# KiCad board pcb.kicad_pcb (continued)
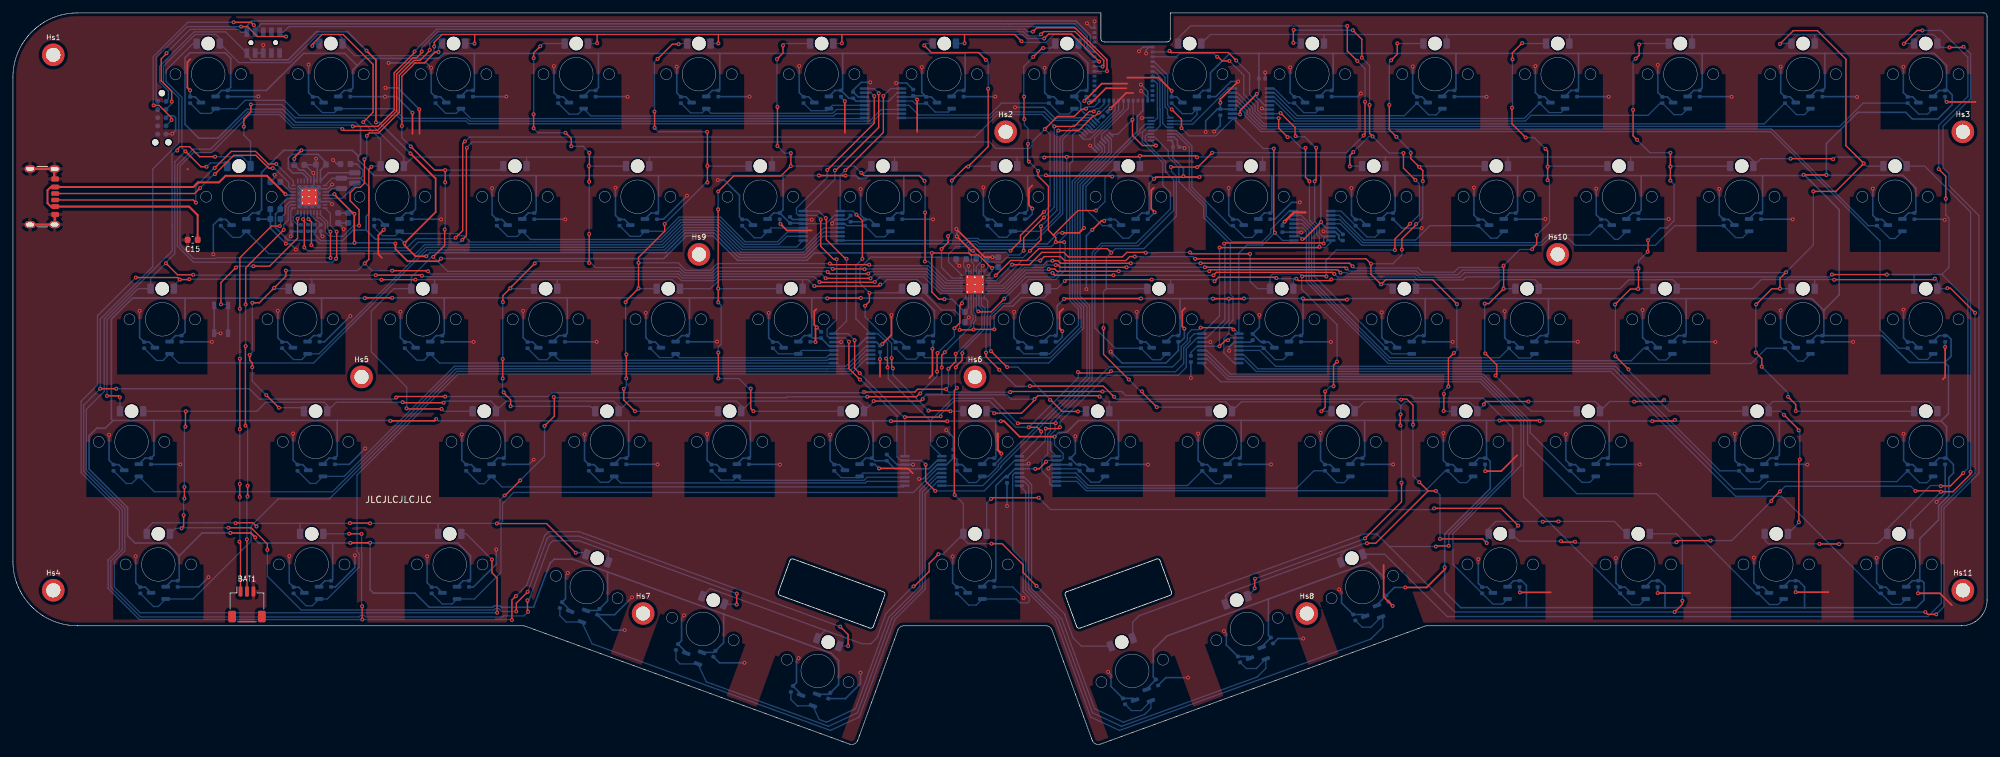
[diagram p0: board, top side]
## Placement (name value [footprint] x y rotation side) (continued)
TMR58  TMR2617  [SOT-23-3]  296.25 42.45 180 bottom
TMR59  TMR2617  [SOT-23-3]  22.52 23.45 180 bottom
TMR60  TMR2617  [SOT-23-3]  46.27 23.45 180 bottom
TMR61  TMR2617  [SOT-23-3]  67.65 23.45 180 bottom
TMR62  TMR2617  [SOT-23-3]  87.37 20.21 160 bottom
TMR63  TMR2617  [SOT-23-3]  105.35 13.71 160 bottom
TMR64  TMR2617  [SOT-23-3]  123.15 7.21 160 bottom
TMR65  TMR2617  [SOT-23-3]  149 23.45 180 bottom
TMR66  TMR2617  [SOT-23-3]  174.85 7.21 200 bottom
TMR67  TMR2617  [SOT-23-3]  192.65 13.71 200 bottom
TMR68  TMR2617  [SOT-23-3]  210.5 20.21 200 bottom
TMR69  TMR2617  [SOT-23-3]  230.35 23.45 180 bottom
TMR70  TMR2617  [SOT-23-3]  251.72 23.45 180 bottom
TMR71  TMR2617  [SOT-23-3]  273.1 23.45 180 bottom
TMR72  TMR2617  [SOT-23-3]  292.1 23.45 180 bottom
USB1  USB_C_Receptacle_PowerOnly_6P  [USB_C_Receptacle_GCT_USB4125-xx-x-0190_6P_TopMnt_Horizontal]  3.45 84.85 270 top

## Library data of the parts
BAT1 = -: Description: PS5 battery pack (red->power, black->ground, white->ntc); ki_fp_filters: TSSOP*4.4x9.7mm*P0.65mm*
C1-C5 C10-C13 C16-C20 C24-C27 = -: Description: Capacitor, X5R, ±10%, at least 2xVdd (>=5V); ki_fp_filters: C_*
C6-C8 C21 C22 = -: Description: Capacitor, X5R, 25 V, ±20%; ki_fp_filters: C_*
C9 C29 = -: Description: Capacitor, X5R, ±10%; ki_fp_filters: C_*
C14 C15 C30-C32 = -: Description: Capacitor, X5R, 10 V, ±10%; ki_fp_filters: C_*
C23 C28 = -: Description: Capacitor, X7R, 16 V, ±10%; ki_fp_filters: C_*
Cvcc1-Cvcc72 Cvout1-Cvout72 = -: Description: Unpolarized capacitor, small symbol; ki_fp_filters: C_*
D1-D72 = -: Datasheet: https://www.we-online.com/components/products/datasheet/156120VS75300.pdf; Description: Light emitting diode, small symbol, filled shape; Sim.Pins: 1=K 2=A; ki_fp_filters: LED* LED_SMD:* LED_THT:*
Hs1-Hs11 = -: Description: Mounting Hole without connection; ki_fp_filters: MountingHole*
JTAG1 JTAG2 = -: Description: Generic connector, double row, 02x05, odd/even pin numbering scheme (row 1 odd numbers, row 2 even numbers), script generated (kicad-library-utils/schlib/autogen/connector/); ki_fp_filters: Connector*:*_2x??_*
L1 = -: Description: Inductor, DCR < 400 mΩ, ±20%; Ex: Murata DFE201210U-2R2M Samsung CIGT201610EH2R2MNE  Samsung CIGT252008LM2R2MNE  Taiyo Yuden MDKK1616T2R2MM; ki_fp_filters: Choke_* *Coil* Inductor_* L_*
L2 = -: Description: Inductor, DCR < 400 mΩ, ±20%; ki_fp_filters: Choke_* *Coil* Inductor_* L_*
LEDDR1 = -: Datasheet: http://www.ti.com/lit/ds/symlink/lp5864.pdf; Description: 72-Channel 12-Bit PWM Ultra-low Quiescent Current I2C RGB LED Driver; ki_fp_filters: VQFN?46?1EP?5x6mm?P0.4mm?EP2.8x3.8mm*
M1 = -: Datasheet: https://www.ezurio.com/documentation/datasheet-bl54l10-and-bl54l15-series; Description: nRF54L15 module
MUXA1 MUXA2 = -: Datasheet: https://www.ti.com/lit/ds/symlink/tmux1574.pdf; Description: Low Capacitance, 4-Channel, 2 to 1 Switch, Powered-off Protection with 1.8V logic, TSOT-23-16; ki_fp_filters: *TSOT*23?16*
MUXB1-MUXB8 = -: Datasheet: https://www.ti.com/lit/ds/symlink/tmux1108.pdf; Description: 5V / ±2.5V, Low-Leakage-Current, 8:1 Precision Multiplexer, 2.5 Ohm Ron, 90Mhz, TSSOP-16; ki_fp_filters: TSSOP*4.4x5mm*P0.65mm*
PMIC1 = -: Datasheet: https://docs.nordicsemi.com/bundle/ps_npm1300; Description: PMIC, LED Driver, Battery Charger, QFN-32; ki_fp_filters: QFN*32*1EP*5x5mm*P0.5mm*EP3.6x3.6mm*
R1 R2 = -: Description: Resistor, small symbol; ki_fp_filters: R_*
R3 R4 = -: Description: Resistor, 0.05 W, ±1%, to select 1.8v at buck converter #1 on reset; ki_fp_filters: R_*
S1-S72 = -: Description: Gateron Low profile magentic switch
SW1 = -: Description: 1x DIP Switch, Single Pole Single Throw (SPST) switch, small symbol; ki_fp_filters: SW?DIP?x1*
TMR1-TMR72 = -: Description: TMR sensor by MDT, z-axis sensitivity, SOT23-3; ki_fp_filters: SOT?23*
USB1 = -: Datasheet: https://www.usb.org/sites/default/files/documents/usb_type-c.zip; Description: USB Power-Only 6P Type-C Receptacle connector; ki_fp_filters: USB*C*Receptacle*

## Footprints (pads in the part's own frame, mm; a bottom-side part is the same pattern mirrored in y, then rotated)
Button_Switch_3x4x2.5
  rect 1.2x0.65 smd: 1(-2.15,1.075) 1(2.15,1.075) 2(-2.15,-1.075) 2(2.15,-1.075)
C_0402_1005Metric
  rrect 0.56x0.62 smd: 1(-0.48,0) 2(0.48,0)
C_0603_1608Metric
  rrect 0.9x0.95 smd: 1(-0.775,0) 2(0.775,0)
Ezurio_BL54L15_Module
  rect 0.45x0.6 smd: 1(11.8,0.503) 2(11.05,0.503) 3(10.3,0.503) 4(9.55,0.503) 5(8.8,0.503) 6(8.05,0.503) 7(7.3,0.503) 8(6.55,0.503) 9(5.8,0.503) 10(5.05,0.503) 11(4.3,0.503) 12(3.55,0.503) 13(2.8,0.503) 14(2.05,0.503) 15(1.3,0.503) 16(0.55,0.503) 28(0.55,9.497) 29(1.3,9.497) 30(2.05,9.497) 31(2.8,9.497) 32(3.55,9.497) 33(4.3,9.497) 34(5.05,9.497) 35(5.8,9.497) 36(6.55,9.497) 37(7.3,9.497) 38(8.05,9.497) 39(8.8,9.497)
  rect 0.6x0.45 smd: 17(0.503,1.25) 18(0.503,2) 19(0.503,2.75) 20(0.503,3.5) 21(0.503,4.25) 22(0.503,5) 23(0.503,5.75) 24(0.503,6.5) 25(0.503,7.25) 26(0.503,8) 27(0.503,8.75)
JST_SH_SM03B-SRSS-TB_1x03-1MP_P1.00mm_Horizontal
  rrect 0.6x1.55 smd: 1(-1,2) 2(0,2) 3(1,2)
  rrect 1.2x1.8 smd: MP(-2.3,-1.875) MP(2.3,-1.875)
L_Samsung_CIGT201610EH2R2MNE
  rrect 0.8x1.8 smd: 1(-0.8,0) 2(0.8,0)
LED_1206_3216Metric_ReverseMount_Hole2.1mm
  round 2.1 hole 2.1 unplated: (0,0)
  rrect 1x1.6 smd: 1(-1.8,0) 2(1.8,0)
MountingHole_2.2mm_M2_ISO7380_Pad_TopBottom
  round 2.6 hole 2.2: 1(0,0)
  round 3.5 smd: 1(0,0)
  round 3.5 smd far side: 1(0,0)
QFN-32-1EP_5x5mm_P0.5mm_EP3.6x3.6mm_ThermalVias
  rrect 0.97x0.97 smd: (-1.2,-1.2) (-1.2,0) (-1.2,1.2) (0,-1.2) (0,0) (0,1.2) (1.2,-1.2) (1.2,0) (1.2,1.2)
  rrect 0.8x0.25 smd: 1(-2.45,1.75) 2(-2.45,1.25) 3(-2.45,0.75) 4(-2.45,0.25) 5(-2.45,-0.25) 6(-2.45,-0.75) 7(-2.45,-1.25) 8(-2.45,-1.75) 17(2.45,-1.75) 18(2.45,-1.25) 19(2.45,-0.75) 20(2.45,-0.25) 21(2.45,0.25) 22(2.45,0.75) 23(2.45,1.25) 24(2.45,1.75)
  rrect 0.25x0.8 smd: 9(-1.75,-2.45) 10(-1.25,-2.45) 11(-0.75,-2.45) 12(-0.25,-2.45) 13(0.25,-2.45) 14(0.75,-2.45) 15(1.25,-2.45) 16(1.75,-2.45) 25(1.75,2.45) 26(1.25,2.45) 27(0.75,2.45) 28(0.25,2.45) 29(-0.25,2.45) 30(-0.75,2.45) 31(-1.25,2.45) 32(-1.75,2.45)
  round 0.5 hole 0.2: 33(-1,-1) 33(-1,0) 33(-1,1) 33(0,-1) 33(0,0) 33(0,1) 33(1,-1) 33(1,0) 33(1,1)
  rect 2.5x2.5 smd far side: 33(0,0)
  rect 3.6x3.6 smd: 33(0,0)
R_0402_1005Metric
  rrect 0.54x0.64 smd: 1(-0.51,0) 2(0.51,0)
SAMTEC-CLP-105-02-X-D-A
  round 0.74 hole 0.74 unplated: (-1.905,0) (1.905,0)
  rect 0.74x1.47 smd: 1(-2.54,1.613) 2(-2.54,-1.613) 3(-1.27,1.613) 4(-1.27,-1.613) 5(0,1.613) 6(0,-1.613) 7(1.27,1.613) 8(1.27,-1.613) 9(2.54,1.613) 10(2.54,-1.613)
SOT-23-3
  rrect 1.325x0.6 smd: 1(-1.137,0.95) 2(-1.137,-0.95) 3(1.137,0)
Tag-Connect_TC2050-IDC-NL_2x05_P1.27mm_Vertical
  round 0.991 hole 0.991 unplated: (-3.81,0) (3.81,-1.016) (3.81,1.016)
  round 0.787 smd: 1(-2.54,-0.635) 2(-1.27,-0.635) 3(0,-0.635) 4(1.27,-0.635) 5(2.54,-0.635) 6(2.54,0.635) 7(1.27,0.635) 8(0,0.635) 9(-1.27,0.635) 10(-2.54,0.635)
Texas_DYY0016A_TSOT-23-16_2x4.2mm_P0.5mm
  rrect 1.05x0.3 smd: 1(-1.5,1.75) 2(-1.5,1.25) 3(-1.5,0.75) 4(-1.5,0.25) 5(-1.5,-0.25) 6(-1.5,-0.75) 7(-1.5,-1.25) 8(-1.5,-1.75) 9(1.5,-1.75) 10(1.5,-1.25) 11(1.5,-0.75) 12(1.5,-0.25) 13(1.5,0.25) 14(1.5,0.75) 15(1.5,1.25) 16(1.5,1.75)
TSSOP-16_4.4x5mm_P0.65mm
  rrect 1.475x0.4 smd: 1(-2.862,2.275) 2(-2.862,1.625) 3(-2.862,0.975) 4(-2.862,0.325) 5(-2.862,-0.325) 6(-2.862,-0.975) 7(-2.862,-1.625) 8(-2.862,-2.275) 9(2.862,-2.275) 10(2.862,-1.625) 11(2.862,-0.975) 12(2.862,-0.325) 13(2.862,0.325) 14(2.862,0.975) 15(2.862,1.625) 16(2.862,2.275)
USB_C_Receptacle_GCT_USB4125-xx-x-0190_6P_TopMnt_Horizontal
  rrect 0.7x1.2 smd: A5(-0.5,3.08) B5(0.5,3.08)
  rrect 0.76x1.2 smd: A9(1.52,3.08) B9(-1.52,3.08)
  rrect 0.8x1.2 smd: A12(2.75,3.08) B12(-2.75,3.08)
  oval 1.1x1.7 hole 0.6x1.2: S1(-4.32,3) S1(-4.32,-0.8) S1(4.32,3) S1(4.32,-0.8)
VQFN-32-1EP_4x4mm_P0.4mm_EP2.8x2.8mm_ThermalVias
  rrect 1.17x1.17 smd: (-0.7,-0.7) (-0.7,0.7) (0.7,-0.7) (0.7,0.7)
  rrect 0.775x0.2 smd: 1(-1.988,1.4) 2(-1.988,1) 3(-1.988,0.6) 4(-1.988,0.2) 5(-1.988,-0.2) 6(-1.988,-0.6) 7(-1.988,-1) 8(-1.988,-1.4) 17(1.988,-1.4) 18(1.988,-1) 19(1.988,-0.6) 20(1.988,-0.2) 21(1.988,0.2) 22(1.988,0.6) 23(1.988,1) 24(1.988,1.4)
  rrect 0.2x0.775 smd: 9(-1.4,-1.988) 10(-1,-1.988) 11(-0.6,-1.988) 12(-0.2,-1.988) 13(0.2,-1.988) 14(0.6,-1.988) 15(1,-1.988) 16(1.4,-1.988) 25(1.4,1.988) 26(1,1.988) 27(0.6,1.988) 28(0.2,1.988) 29(-0.2,1.988) 30(-0.6,1.988) 31(-1,1.988) 32(-1.4,1.988)
  round 0.5 hole 0.2: 33(-1.15,-1.15) 33(-1.15,0) 33(-1.15,1.15) 33(0,-1.15) 33(0,0) 33(0,1.15) 33(1.15,-1.15) 33(1.15,0) 33(1.15,1.15)
  rect 2.8x2.8 smd far side: 33(0,0)
  rect 2.8x2.8 smd: 33(0,0)

## Nets
/VDDIO: C9.2 C21.1 JTAG1.1 JTAG2.1 L1.1 M1.26 PMIC1.1 PMIC1.12 R1.1 R2.1
GND: BAT1.3 C1.1 C2.1 C3.1 C4.1 C5.1 C6.2 C7.2 C8.2 C9.1 C10.1 C10.2 C11.1 C11.2 C12.1 C12.2 C13.1 C13.2 C14.2 C15.2 C16.1 C17.1 C18.1 C19.1 C20.1 C21.2 C22.2 C23.2 C24.1 C24.2 C25.1 C25.2 C26.1 C26.2 C27.1 C27.2 C28.2 C29.2 C30.1 C31.2 C32.2 Cvcc1.2 Cvcc2.2 Cvcc3.2 Cvcc4.2 Cvcc5.2 Cvcc6.2 Cvcc7.2 Cvcc8.2 Cvcc9.2 Cvcc10.2 Cvcc11.2 Cvcc12.2 Cvcc13.2 Cvcc14.2 Cvcc15.2 Cvcc16.2 Cvcc17.2 Cvcc18.2 Cvcc19.2 Cvcc20.2 Cvcc21.2 Cvcc22.2 Cvcc23.2 Cvcc24.2 Cvcc25.2 Cvcc26.2 Cvcc27.2 Cvcc28.2 Cvcc29.2 Cvcc30.2 Cvcc31.2 Cvcc32.2 Cvcc33.2 Cvcc34.2 Cvcc35.2 Cvcc36.2 Cvcc37.2 Cvcc38.2 Cvcc39.2 Cvcc40.2 Cvcc41.2 Cvcc42.2 Cvcc43.2 Cvcc44.2 Cvcc45.2 Cvcc46.2 Cvcc47.2 Cvcc48.2 Cvcc49.2 Cvcc50.2 Cvcc51.2 Cvcc52.2 Cvcc53.2 Cvcc54.2 Cvcc55.2 Cvcc56.2 Cvcc57.2 Cvcc58.2 Cvcc59.2 Cvcc60.2 Cvcc61.2 Cvcc62.2 Cvcc63.2 Cvcc64.2 Cvcc65.2 Cvcc66.2 Cvcc67.2 Cvcc68.2 Cvcc69.2 Cvcc70.2 Cvcc71.2 Cvcc72.2 Cvout1.2 Cvout2.2 Cvout3.2 Cvout4.2 Cvout5.2 Cvout6.2 Cvout7.2 Cvout8.2 Cvout9.2 Cvout10.2 Cvout11.2 Cvout12.2 Cvout13.2 Cvout14.2 Cvout15.2 Cvout16.2 Cvout17.2 Cvout18.2 Cvout19.2 Cvout20.2 Cvout21.2 Cvout22.2 Cvout23.2 Cvout24.2 Cvout25.2 Cvout26.2 Cvout27.2 Cvout28.2 Cvout29.2 Cvout30.2 Cvout31.2 Cvout32.2 Cvout33.2 Cvout34.2 Cvout35.2 Cvout36.2 Cvout37.2 Cvout38.2 Cvout39.2 Cvout40.2 Cvout41.2 Cvout42.2 Cvout43.2 Cvout44.2 Cvout45.2 Cvout46.2 Cvout47.2 Cvout48.2 Cvout49.2 Cvout50.2 Cvout51.2 Cvout52.2 Cvout53.2 Cvout54.2 Cvout55.2 Cvout56.2 Cvout57.2 Cvout58.2 Cvout59.2 Cvout60.2 Cvout61.2 Cvout62.2 Cvout63.2 Cvout64.2 Cvout65.2 Cvout66.2 Cvout67.2 Cvout68.2 Cvout69.2 Cvout70.2 Cvout71.2 Cvout72.2 JTAG1.3 JTAG1.5 JTAG2.3 JTAG2.5 LEDDR1.26 LEDDR1.27 LEDDR1.30 LEDDR1.31 LEDDR1.33 M1.1 M1.16 M1.27 M1.39 MUXA1.8 MUXA1.15 MUXA2.8 MUXA2.15 MUXB1.3 MUXB1.14 MUXB2.3 MUXB2.14 MUXB3.3 MUXB3.14 MUXB4.3 MUXB4.14 MUXB5.3 MUXB5.14 MUXB6.3 MUXB6.14 MUXB7.3 MUXB7.14 MUXB8.3 MUXB8.14 PMIC1.2 PMIC1.6 PMIC1.30 PMIC1.31 PMIC1.33 R3.1 R4.1 SW1.1 TMR1.3 TMR2.3 TMR3.3 TMR4.3 TMR5.3 TMR6.3 TMR7.3 TMR8.3 TMR9.3 TMR10.3 TMR11.3 TMR12.3 TMR13.3 TMR14.3 TMR15.3 TMR16.3 TMR17.3 TMR18.3 TMR19.3 TMR20.3 TMR21.3 TMR22.3 TMR23.3 TMR24.3 TMR25.3 TMR26.3 TMR27.3 TMR28.3 TMR29.3 TMR30.3 TMR31.3 TMR32.3 TMR33.3 TMR34.3 TMR35.3 TMR36.3 TMR37.3 TMR38.3 TMR39.3 TMR40.3 TMR41.3 TMR42.3 TMR43.3 TMR44.3 TMR45.3 TMR46.3 TMR47.3 TMR48.3 TMR49.3 TMR50.3 TMR51.3 TMR52.3 TMR53.3 TMR54.3 TMR55.3 TMR56.3 TMR57.3 TMR58.3 TMR59.3 TMR60.3 TMR61.3 TMR62.3 TMR63.3 TMR64.3 TMR65.3 TMR66.3 TMR67.3 TMR68.3 TMR69.3 TMR70.3 TMR71.3 TMR72.3 USB1.A12 USB1.B12 USB1.S1
VCCS: C1.2 C2.2 C3.2 C4.2 C5.2 C16.2 C17.2 C18.2 C19.2 C20.2 C23.1 Cvcc1.1 Cvcc2.1 Cvcc3.1 Cvcc4.1 Cvcc5.1 Cvcc6.1 Cvcc7.1 Cvcc8.1 Cvcc9.1 Cvcc10.1 Cvcc11.1 Cvcc12.1 Cvcc13.1 Cvcc14.1 Cvcc15.1 Cvcc16.1 Cvcc17.1 Cvcc18.1 Cvcc19.1 Cvcc20.1 Cvcc21.1 Cvcc22.1 Cvcc23.1 Cvcc24.1 Cvcc25.1 Cvcc26.1 Cvcc27.1 Cvcc28.1 Cvcc29.1 Cvcc30.1 Cvcc31.1 Cvcc32.1 Cvcc33.1 Cvcc34.1 Cvcc35.1 Cvcc36.1 Cvcc37.1 Cvcc38.1 Cvcc39.1 Cvcc40.1 Cvcc41.1 Cvcc42.1 Cvcc43.1 Cvcc44.1 Cvcc45.1 Cvcc46.1 Cvcc47.1 Cvcc48.1 Cvcc49.1 Cvcc50.1 Cvcc51.1 Cvcc52.1 Cvcc53.1 Cvcc54.1 Cvcc55.1 Cvcc56.1 Cvcc57.1 Cvcc58.1 Cvcc59.1 Cvcc60.1 Cvcc61.1 Cvcc62.1 Cvcc63.1 Cvcc64.1 Cvcc65.1 Cvcc66.1 Cvcc67.1 Cvcc68.1 Cvcc69.1 Cvcc70.1 Cvcc71.1 Cvcc72.1 MUXA1.16 MUXA2.16 MUXB1.2 MUXB1.13 MUXB2.2 MUXB2.13 MUXB3.2 MUXB3.13 MUXB4.2 MUXB4.13 MUXB5.2 MUXB5.13 MUXB6.2 MUXB6.13 MUXB7.2 MUXB7.13 MUXB8.2 MUXB8.13 PMIC1.29 TMR1.1 TMR2.1 TMR3.1 TMR4.1 TMR5.1 TMR6.1 TMR7.1 TMR8.1 TMR9.1 TMR10.1 TMR11.1 TMR12.1 TMR13.1 TMR14.1 TMR15.1 TMR16.1 TMR17.1 TMR18.1 TMR19.1 TMR20.1 TMR21.1 TMR22.1 TMR23.1 TMR24.1 TMR25.1 TMR26.1 TMR27.1 TMR28.1 TMR29.1 TMR30.1 TMR31.1 TMR32.1 TMR33.1 TMR34.1 TMR35.1 TMR36.1 TMR37.1 TMR38.1 TMR39.1 TMR40.1 TMR41.1 TMR42.1 TMR43.1 TMR44.1 TMR45.1 TMR46.1 TMR47.1 TMR48.1 TMR49.1 TMR50.1 TMR51.1 TMR52.1 TMR53.1 TMR54.1 TMR55.1 TMR56.1 TMR57.1 TMR58.1 TMR59.1 TMR60.1 TMR61.1 TMR62.1 TMR63.1 TMR64.1 TMR65.1 TMR66.1 TMR67.1 TMR68.1 TMR69.1 TMR70.1 TMR71.1 TMR72.1
/AIN0: M1.23 MUXA1.4
/AIN1: M1.22 MUXA1.7
/AIN2: M1.21 MUXA1.9
/AIN3: M1.20 MUXA1.12
/AIN4: M1.35 MUXA2.9
/AIN5: M1.34 MUXA2.12
/AIN6: M1.33 MUXA2.4
/AIN7: M1.32 MUXA2.7
/ANA_01: Cvout1.1 MUXB1.7 TMR1.2
/ANA_02: Cvout2.1 MUXB1.6 TMR2.2
/ANA_03: Cvout3.1 MUXB1.9 TMR3.2
/ANA_04: Cvout4.1 MUXB1.10 TMR4.2
/ANA_05: Cvout5.1 MUXB1.11 TMR5.2
/ANA_06: Cvout6.1 MUXB1.12 TMR6.2
/ANA_07: Cvout7.1 MUXB1.4 TMR7.2
/ANA_08: Cvout8.1 MUXB1.5 TMR8.2
/ANA_09: Cvout9.1 MUXA2.10 TMR9.2
/ANA_10: Cvout10.1 MUXB5.9 TMR10.2
/ANA_11: Cvout11.1 MUXB5.10 TMR11.2
/ANA_12: Cvout12.1 MUXB5.11 TMR12.2
/ANA_13: Cvout13.1 MUXB5.12 TMR13.2
/ANA_14: Cvout14.1 MUXB5.7 TMR14.2
/ANA_15: Cvout15.1 MUXB5.6 TMR15.2
/ANA_16: Cvout16.1 MUXB2.5 TMR16.2
/ANA_17: Cvout17.1 MUXB2.9 TMR17.2
/ANA_18: Cvout18.1 MUXB2.10 TMR18.2
/ANA_19: Cvout19.1 MUXB2.11 TMR19.2
/ANA_20: Cvout20.1 MUXB2.12 TMR20.2
/ANA_21: Cvout21.1 MUXB2.4 TMR21.2
/ANA_22: Cvout22.1 MUXA1.13 TMR22.2
/ANA_23: Cvout23.1 MUXA2.6 TMR23.2
/ANA_24: Cvout24.1 MUXA2.13 TMR24.2
/ANA_25: Cvout25.1 MUXB6.9 TMR25.2
/ANA_26: Cvout26.1 MUXB6.10 TMR26.2
/ANA_27: Cvout27.1 MUXB6.11 TMR27.2
/ANA_28: Cvout28.1 MUXB6.12 TMR28.2
/ANA_29: Cvout29.1 MUXB5.5 TMR29.2
/ANA_30: Cvout30.1 MUXB2.7 TMR30.2
/ANA_31: Cvout31.1 MUXB2.6 TMR31.2
/ANA_32: Cvout32.1 MUXB3.9 TMR32.2
/ANA_33: Cvout33.1 MUXB3.10 TMR33.2
/ANA_34: Cvout34.1 MUXB3.11 TMR34.2
/ANA_35: Cvout35.1 MUXB3.12 TMR35.2
/ANA_36: Cvout36.1 MUXA1.6 TMR36.2
/ANA_37: Cvout37.1 MUXA1.10 TMR37.2
/ANA_38: Cvout38.1 MUXA2.3 TMR38.2
/ANA_39: Cvout39.1 MUXB7.4 TMR39.2
/ANA_40: Cvout40.1 MUXB6.7 TMR40.2
/ANA_41: Cvout41.1 MUXB6.6 TMR41.2
/ANA_42: Cvout42.1 MUXB6.5 TMR42.2
/ANA_43: Cvout43.1 MUXB6.4 TMR43.2
/ANA_44: Cvout44.1 MUXB5.4 TMR44.2
/ANA_45: Cvout45.1 MUXB3.5 TMR45.2
/ANA_46: Cvout46.1 MUXB3.4 TMR46.2
/ANA_47: Cvout47.1 MUXB4.9 TMR47.2
/ANA_48: Cvout48.1 MUXB4.10 TMR48.2
/ANA_49: Cvout49.1 MUXB4.11 TMR49.2
/ANA_50: Cvout50.1 MUXB4.12 TMR50.2
/ANA_51: Cvout51.1 MUXA1.3 TMR51.2
/ANA_52: Cvout52.1 MUXB8.4 TMR52.2
/ANA_53: Cvout53.1 MUXB8.5 TMR53.2
/ANA_54: Cvout54.1 MUXB8.6 TMR54.2
/ANA_55: Cvout55.1 MUXB8.7 TMR55.2
/ANA_56: Cvout56.1 MUXB7.12 TMR56.2
/ANA_57: Cvout57.1 MUXB7.5 TMR57.2
/ANA_58: Cvout58.1 MUXB7.6 TMR58.2
/ANA_59: Cvout59.1 MUXB3.6 TMR59.2
/ANA_60: Cvout60.1 MUXB3.7 TMR60.2
/ANA_61: Cvout61.1 MUXB4.4 TMR61.2
/ANA_62: Cvout62.1 MUXB4.7 TMR62.2
/ANA_63: Cvout63.1 MUXB4.6 TMR63.2
/ANA_64: Cvout64.1 MUXB4.5 TMR64.2
/ANA_65: Cvout65.1 MUXB8.12 TMR65.2
/ANA_66: Cvout66.1 MUXB8.11 TMR66.2
/ANA_67: Cvout67.1 MUXB8.10 TMR67.2
/ANA_68: Cvout68.1 MUXB8.9 TMR68.2
/ANA_69: Cvout69.1 MUXB7.9 TMR69.2
/ANA_70: Cvout70.1 MUXB7.10 TMR70.2
/ANA_71: Cvout71.1 MUXB7.11 TMR71.2
/ANA_72: Cvout72.1 MUXB7.7 TMR72.2
/CS0: D9.1 D24.1 D38.1 D53.1 LEDDR1.2
/CS1: D10.1 D25.1 D39.1 D54.1 LEDDR1.3
/CS2: D11.1 D26.1 D40.1 D55.1 LEDDR1.4
/CS3: D12.1 D27.1 D41.1 D56.1 LEDDR1.5
/CS4: D13.1 D28.1 D42.1 D57.1 LEDDR1.6
/CS5: D14.1 D29.1 D43.1 D58.1 LEDDR1.7
/CS6: D15.1 D44.1 D71.1 D72.1 LEDDR1.8
/CS7: D67.1 D68.1 D69.1 D70.1 LEDDR1.9
/CS8: D63.1 D64.1 D65.1 D66.1 LEDDR1.10
/CS9: D59.1 D60.1 D61.1 D62.1 LEDDR1.16
/CS10: D1.1 D16.1 D30.1 D45.1 LEDDR1.17
/CS11: D2.1 D17.1 D31.1 D46.1 LEDDR1.18
/CS12: D3.1 D18.1 D32.1 D47.1 LEDDR1.19
/CS13: D4.1 D19.1 D33.1 D48.1 LEDDR1.20
/CS14: D5.1 D20.1 D34.1 D49.1 LEDDR1.21
/CS15: D6.1 D21.1 D35.1 D50.1 LEDDR1.22
/CS16: D7.1 D22.1 D36.1 D51.1 LEDDR1.23
/CS17: D8.1 D23.1 D37.1 D52.1 LEDDR1.24
/GPIO_X: M1.8 PMIC1.10
/INT: M1.10 PMIC1.8
/LED_DR_EN: C29.1 LEDDR1.32 M1.19
/LOADSW_CTRL: M1.9 PMIC1.9
/MUX_B_1: MUXA1.14 MUXB1.8
/MUX_B_2: MUXA1.11 MUXB2.8
/MUX_B_3: MUXA1.5 MUXB3.8
/MUX_B_4: MUXA1.2 MUXB4.8
/MUX_B_5: MUXA2.11 MUXB5.8
/MUX_B_6: MUXA2.14 MUXB6.8
/MUX_B_7: MUXA2.2 MUXB7.8
/MUX_B_8: MUXA2.5 MUXB8.8
/MUXA_SEL: M1.24 MUXA1.1 MUXA2.1
/MUXB_SEL_0: M1.36 MUXB1.1 MUXB2.1 MUXB3.1 MUXB4.1 MUXB5.1 MUXB6.1 MUXB7.1 MUXB8.1
/MUXB_SEL_1: M1.37 MUXB1.16 MUXB2.16 MUXB3.16 MUXB4.16 MUXB5.16 MUXB6.16 MUXB7.16 MUXB8.16
/MUXB_SEL_2: M1.38 MUXB1.15 MUXB2.15 MUXB3.15 MUXB4.15 MUXB5.15 MUXB6.15 MUXB7.15 MUXB8.15
/NRESET: JTAG1.10 JTAG2.10 M1.7
/SCL: LEDDR1.28 M1.17 PMIC1.14 R1.2
/SDA: LEDDR1.29 M1.18 PMIC1.13 R2.2
/SW0: D1.2 D2.2 D3.2 D4.2 D5.2 D6.2 D7.2 D8.2 D9.2 D10.2 D11.2 D12.2 D13.2 D14.2 D15.2 D62.2 D66.2 D70.2 LEDDR1.11
/SW1: D16.2 D17.2 D18.2 D19.2 D20.2 D21.2 D22.2 D23.2 D24.2 D25.2 D26.2 D27.2 D28.2 D29.2 D61.2 D65.2 D69.2 D72.2 LEDDR1.12
/SW2: D30.2 D31.2 D32.2 D33.2 D34.2 D35.2 D36.2 D37.2 D38.2 D39.2 D40.2 D41.2 D42.2 D43.2 D44.2 D60.2 D64.2 D68.2 LEDDR1.13
/SW3: D45.2 D46.2 D47.2 D48.2 D49.2 D50.2 D51.2 D52.2 D53.2 D54.2 D55.2 D56.2 D57.2 D58.2 D59.2 D63.2 D67.2 D71.2 LEDDR1.14
/SWDCLK: JTAG1.4 JTAG2.4 M1.6
/SWDIO: JTAG1.2 JTAG2.2 M1.5
/VOUT2: C22.1 L2.1 PMIC1.28 PMIC1.32
/VSYS: C6.1 C7.1 C8.1 C31.1 C32.1 LEDDR1.1 LEDDR1.15 PMIC1.4 PMIC1.20
Net-(BAT1-NTC): BAT1.2 PMIC1.18
Net-(BAT1-VBAT): BAT1.1 C28.1 PMIC1.19
Net-(LEDDR1-VCAP): C30.2 LEDDR1.25
Net-(PMIC1-CC1): PMIC1.23 USB1.A5
Net-(PMIC1-CC2): PMIC1.24 USB1.B5
Net-(PMIC1-SHPHLD): PMIC1.15 SW1.2
Net-(PMIC1-SW1): L1.2 PMIC1.3
Net-(PMIC1-SW2): L2.2 PMIC1.5
Net-(PMIC1-VBUS): C15.1 PMIC1.21 USB1.A9 USB1.B9
Net-(PMIC1-VBUSOUT): C14.1 PMIC1.22
Net-(PMIC1-VSET1): PMIC1.17 R3.2
Net-(PMIC1-VSET2): PMIC1.16 R4.2

Pads without a net: BAT1 MP; Hs1 1; Hs2 1; Hs3 1; Hs4 1; Hs5 1; Hs6 1; Hs7 1; Hs8 1; Hs9 1; Hs10 1; Hs11 1; JTAG1 6 7 8 9; JTAG2 6 7 8 9; M1 2 3 4 11 12 13 14 15 25 28 29 30 31; PMIC1 7 11 25 26 27

## Via types
v1: diameter 0.6, hole 0.3, Top to Bottom, 786 vias

## Routing (per net, layer and track width the routed paths; a pad name or vN(x,y) marks a point on that pad's centre or on a via; arc(x,y) is an arc through that point)
/VDDIO: length 257.2
  Top w0.25: v1(61.57,91.57) 65.47,87.67 65.47,82.47 v1(60.65,77.65) 60.65,77.32 62.35,75.63 v1(64.03,75.63) ; v1(56.22,96.37) 56.22,106.04 v1(54.76,107.5) ; v1(162.51,79.25) 165.12,79.25 v1(165.89,80.02)
  Bottom w0.2: PMIC1.1 49.44,87.72 L1.1 ; JTAG1.1 32.96,110.4 28.04,110.4 22.72,105.08 22.72,102.58 24.09,101.21 24.09,100.03 JTAG2.1 ; R1.1 R2.1 46.7,79.52 C9.2 47.68,80.63 47.13,81.18 46.93,81.18 46.12,81.98 PMIC1.12
  Bottom w0.25: v1(162.51,79.25) 161.91,79.25 160.21,77.55 149.7,77.55 149.28,77.96 148.06,77.96 147.64,77.55 124.9,77.55 122.8,75.44 112.4,75.44 108.61,79.23 104.14,79.23 101.1,76.2 101.08,76.18 70.13,76.18 70.13,76.18 64.58,76.18 v1(64.03,75.63) ; 53.85,87.72 54.19,88.05 54.19,88.98 53.25,89.92 C21.1 ; 53.85,87.72 55.15,86.42 55.15,82.26 54.71,81.82 54.71,79.69 ; 53.85,87.72 L1.1 ; v1(56.22,96.37) 56.77,96.37 v1(61.57,91.57) ; M1.26 175,98.19 174.09,97.28 174.09,94.96 165.71,86.57 165.71,80.2 v1(165.89,80.02) ; R2.1 46.7,79.01 47.67,78.04 51.05,78.04 52.69,79.69 54.71,79.69 ; JTAG1.1 36.23,106.76 36.93,106.06 42.64,106.06 47,110.42 51.83,110.42 v1(54.76,107.5) ; v1(60.65,77.65) 60.02,78.29 56.11,78.29 54.71,79.69 ; 174.99,99.94 175,99.93
GND: length 1190.8
  Top w0.25: v1(233.39,23.52) 238.19,23.52 ; 27.13,89.09 27.05,89.17 ; v1(134.29,59.69) 134.29,56.95 ; v1(276.09,23.56) 281.12,23.56 281.15,23.53 ; v1(157.88,83.01) 157.35,83.54 157.35,86.07 157.88,86.61 ; v1(299.49,99.55) 303.94,99.55 303.96,99.57 ; 176.71,86.26 176.3,85.85 176.3,82.98 v1(176.84,82.44) ; v1(118.87,80.63) 119.87,79.63 123.72,79.63 ; 300.29,21.55 298.46,23.38 v1(295.05,23.38) ; v1(140.04,99.91) 140.04,94.91 ; 173.5,100.93 172.39,100.93 v1(169.99,98.53) ; v1(134.65,62.02) 136.06,63.43 v1(136.06,66.51) ; v1(299.25,61.57) 299.25,56.89 298.89,56.53 ; 167.01,99.4 167.21,99.6 ; 167.21,99.6 169.27,101.67 172.43,101.67 ; 167.21,99.6 166.83,99.6 v1(166.64,99.41) ; v1(181.43,64.41) 181.1,64.74 181.1,67.14 181.54,67.59 ; v1(228.01,42.32) 230.5,42.32 232.95,44.77 ; v1(124.3,62.31) 124.3,64.39 v1(124.5,64.59) 124.1,64.99 124.1,67.09 124.43,67.42 ; 139.38,41.97 138.61,42.74 v1(134.14,42.74) ; v1(179.46,101.28) 177.42,103.32 172.57,103.32 ; v1(167.16,79.71) 168.56,81.11 v1(169.01,81.11) ; 61.89,94.64 61.88,94.65 v1(61.88,97.88) ; v1(162.52,64.01) 162.1,64.43 162.1,66.94 162.65,67.5 ; v1(213.69,21.43) 212.29,22.83 212.29,27.78 ; v1(165.94,99.69) 168.64,102.39 172.61,102.39 ; v1(128.84,99.66) 128.85,99.65 128.85,94.75 ; v1(27.44,101.35) 27.02,101.76 27.02,105.71 27.5,106.19 ; v1(186.99,99.42) 186.99,99.95 v1(189.76,102.72) ; v1(146.11,79.86) 150.48,75.49 v1(151.69,75.49) ; v1(142.41,61.29) 142.41,57.25 141.92,56.76 ; v1(146.19,78.69) 148.39,76.49 v1(148.67,76.49) ; v1(62.94,98.4) 62.97,98.37 62.97,94.61 ; 57.14,75.39 56.59,75.94 56.59,78.88 v1(57.43,79.72) ; v1(254.73,23.42) 259.73,23.42
  Top w0.35: 2.6,80.53 6.4,80.53 6.48,80.61 6.48,82.1 ; 200.2,82.43 198.4,82.43 v1(196.96,80.99) ; 152.53,48.14 152.53,45.6 v1(153.09,45.04) ; 6.48,87.6 6.4,87.68 6.4,89.17 2.6,89.17
  Bottom w0.2: LEDDR1.33 149.6,71.85 LEDDR1.30 LEDDR1.31 150,73.94 v1(150.22,74.16) ; LEDDR1.27 LEDDR1.26 v1(148,74.13) ; v1(156.53,22.67) 154.83,24.37 Cvcc65.2
  Bottom w0.25: v1(57.7,101.73) 59.61,101.73 v1(62.94,98.4) ; v1(41.03,67.18) 41.03,63 Cvout31.2 42.48,62.33 TMR31.3 ; v1(155.21,98.71) 159.69,98.71 161.3,97.1 166.77,97.1 MUXA1.15 ; Cvcc66.2 178.56,10.31 v1(182,10.31) ; v1(45.79,105.35) 45.79,100.99 Cvout2.2 47.23,100.33 TMR2.3 ; Cvcc21.2 142.49,81.37 v1(142.51,81.35) ; v1(184.73,94.9) 184.73,96.63 186.54,98.44 C24.1 ; v1(292.82,48.11) 292.82,43.96 Cvout58.2 294.23,43.33 TMR58.3 ; Cvcc52.2 175.75,43.37 v1(175.79,43.33) ; Cvcc9.2 186.29,100.37 188.64,102.72 v1(189.76,102.72) ; TMR20.3 113.73,81.33 Cvout20.2 112.52,81.75 112.52,85.08 110.17,87.44 v1(109.18,87.44) ; Cvcc26.2 237.29,81.37 v1(237.33,81.41) ; C3.1 120.75,81.32 MUXB2.14 123.69,81.32 v1(123.72,81.3) ; 175.75,100.22 v1(174.73,101.24) ; 175.75,100.22 175.75,99.95 175.74,99.94 ; 175.75,100.22 M1.27 175.75,101.18 v1(174.7,102.23) ; v1(188.3,86.19) 188.3,81.98 Cvout24.2 189.73,81.33 TMR24.3 ; TMR49.3 108.98,43.33 Cvout49.2 107.52,44.01 v1(107.52,48.08) ; Cvout7.2 140.76,101.02 v1(140.76,104.95) ; Cvout7.2 141.28,100.5 C10.2 ; Cvout7.2 142.23,100.33 TMR7.3 ; TMR27.3 246.73,81.33 Cvout27.2 245.22,82.06 v1(245.22,86.11) ; Cvcc33.2 90.4,62.37 v1(90.41,62.36) ; v1(183.56,48.14) 183.56,43.97 Cvout53.2 184.98,43.33 TMR53.3 ; v1(117.05,66.84) 117.05,62.98 Cvout35.2 118.48,62.33 TMR35.3 ; C22.2 46.89,89.79 C23.2 45.26,89.79 v1(46.51,88.54) 46.62,88.42 PMIC1.30 ; C22.2 46.94,90.73 v1(46.96,90.75) ; C22.2 47.12,89.65 PMIC1.31 PMIC1.30 ; TMR42.3 253.86,62.33 Cvout42.2 252.4,63 v1(252.4,67.29) ; v1(93.32,86.26) 93.32,81.96 Cvout19.2 94.73,81.33 TMR19.3 ; C24.1 188.82,98.44 MUXB5.3 ; C24.1 v1(186.99,99.42) ; v1(66.3,81.35) 66.28,81.37 Cvcc17.2 ; JTAG1.3 JTAG1.5 v1(38.77,108.37) ; Cvcc24.2 195.43,81.37 198.04,83.98 v1(199.3,83.98) ; C12.2 134.31,59.71 v1(134.29,59.69) ; TMR15.3 294.23,100.33 Cvout15.2 292.78,101 v1(292.78,105) ; Cvcc25.2 215.13,79.99 v1(218.19,79.99) ; v1(254.73,23.42) 254.72,23.42 Cvcc70.2 ; TMR57.3 268.11,43.33 Cvout57.2 266.68,43.97 v1(266.68,48.12) ; Cvcc22.2 157.06,81.37 157.88,82.19 v1(157.88,83.01) ; TMR1.3 28.23,100.33 Cvout1.2 27.45,101.34 v1(27.44,101.35) ; v1(118.87,80.63) 118.75,80.75 Cvcc20.2 ; TMR4.3 85.23,100.33 Cvout4.2 83.79,100.99 v1(83.79,105.1) ; PMIC1.33 46.62,85.6 PMIC1.30 ; PMIC1.33 47.12,86.1 PMIC1.2 48.78,86.1 49.43,86.75 v1(49.43,86.75) ; PMIC1.33 46.62,84.1 PMIC1.6 49.04,84.1 v1(49.43,83.71) ; v1(221.53,48.21) 221.53,44 Cvout55.2 222.98,43.33 TMR55.3 ; v1(76.41,100.38) 76.4,100.37 Cvcc3.2 ; v1(185.44,62.33) 185.44,62.32 MUXB7.14 ; v1(174.86,97.07) 174.89,97.1 MUXA2.8 ; JTAG2.5 24.62,94.56 v1(24.69,94.63) 25.2,95.14 25.2,97.1 24.9,97.4 24,97.4 JTAG2.3 ; Cvcc56.2 251.95,43.37 v1(251.96,43.36) ; TMR18.3 75.73,81.33 Cvout18.2 74.21,82.07 v1(74.21,86.18) ; TMR67.3 191.33,13.58 Cvout67.2 187.92,15.38 187.92,17.16 v1(187.56,17.53) ; C14.2 40.54,87.82 v1(40.54,88.25) ; v1(162.52,64.01) 162.52,63.08 161.81,62.37 Cvcc37.2 ; Cvcc63.2 109.43,12.6 v1(113.3,12.6) ; v1(194.85,43.36) 194.84,43.37 Cvcc53.2 ; TMR45.3 16.36,43.33 Cvout45.2 14.89,44.01 v1(14.89,47.95) ; v1(166.83,92.79) 167.57,92.05 MUXA1.8 ; v1(202.98,79.48) 204.7,79.48 205.34,78.83 205.34,78.38 ; Cvcc6.2 128.25,100.25 v1(128.84,99.66) ; Cvcc7.2 v1(152.15,100.37) ; TMR63.3 104.28,14.23 Cvout63.2 103.56,16.04 103.56,19.6 v1(103.92,19.97) ; TMR9.3 180.23,100.33 Cvout9.2 179.45,101.27 v1(179.46,101.28) ; TMR33.3 80.48,62.33 Cvout33.2 79.02,63.01 v1(79.02,67.15) ; C10.2 139.45,100.5 v1(140.04,99.91) ; C10.2 139.25,100.32 MUXB1.3 ; v1(52.96,29.26) 52.96,27.37 49.96,24.37 Cvcc60.2 ; Cvcc72.2 295.1,23.43 v1(295.05,23.38) ; v1(167.16,79.71) 166.25,78.8 v1(166.25,70.53) ; Cvcc27.2 256.43,81.37 v1(256.45,81.39) ; v1(266.19,100.34) 266.16,100.37 Cvcc13.2 ; Cvcc11.2 228.2,100.37 v1(228.22,100.35) ; C29.2 149.19,75.96 v1(148.67,76.49) ; TMR43.3 275.23,62.33 Cvout43.2 273.78,63 v1(273.78,67.21) ; v1(31.04,75.93) 31.04,80.48 31.89,81.33 Cvout16.2 32.98,81.33 TMR16.3 ; v1(153.09,45.04) 153.09,44.44 152.01,43.37 Cvcc51.2 ; v1(159.79,104.84) 159.79,100.99 Cvout8.2 161.23,100.33 TMR8.3 ; v1(169.63,11.21) 170.07,10.77 170.07,8.94 Cvout66.2 173.53,7.08 TMR66.3 ; v1(193.94,104.13) 193.93,104.12 C17.1 ; v1(38.01,100.41) 37.97,100.37 Cvcc1.2 ; v1(197.81,104.9) 197.81,100.97 Cvout10.2 199.23,100.33 TMR10.3 ; 205.34,78.38 205.34,78.88 204.85,79.37 MUXB6.14 ; 205.34,78.38 205.67,78.06 C18.1 ; Cvcc15.2 299.25,99.79 v1(299.49,99.55) ; v1(213.76,43.36) 213.75,43.37 Cvcc54.2 ; v1(128.26,62.34) 128.25,62.32 MUXB3.14 ; v1(181.43,64.41) 181.43,62.99 180.81,62.37 Cvcc38.2 180.5,61.01 178.57,59.08 171.76,59.08 v1(170.01,60.83) ; Cvcc59.2 28.79,24.37 v1(30.29,25.87) ; v1(126.57,47.97) 126.57,43.96 Cvout50.2 127.98,43.33 TMR50.3 ; v1(175.5,107.07) 175.5,107.6 175.95,108.05 M1.39 175.04,108.05 v1(174.39,107.4) ; TMR61.3 65.63,24.33 Cvout61.2 64.15,25.03 v1(64.15,29.12) ; C9.1 47.68,78.99 v1(47.95,78.72) ; C24.2 186.99,95.89 v1(186.04,94.94) ; C31.2 151.7,75.48 v1(151.69,75.49) ; v1(174.06,67.01) 174.06,62.97 Cvout38.2 175.48,62.33 TMR38.3 ; TMR48.3 89.98,43.33 Cvout48.2 88.53,44 v1(88.53,48) ; v1(102.82,105.02) 102.82,100.96 Cvout5.2 104.23,100.33 TMR5.3 ; v1(146.11,79.86) 146.19,79.78 v1(146.19,78.69) ; TMR56.3 241.98,43.33 Cvout56.2 240.51,44.02 v1(240.51,48.04) ; TMR44.3 294.23,62.33 Cvout44.2 292.81,62.97 v1(292.81,67.36) ; v1(126.88,80.69) 126.88,80.82 127.38,81.32 MUXB2.3 129.12,81.32 C11.1 ; v1(131.27,11.08) 131.27,9.37 128.95,7.05 Cvcc64.2 ; v1(140.34,41.11) 140.95,41.11 143.17,43.32 MUXB4.3 144.6,43.32 145.64,44.36 C13.2 146.2,44.12 Cvout51.2 146.98,43.33 TMR51.3 ; C26.2 191.71,62.32 MUXB7.3 189.13,62.32 188.36,61.56 v1(188.36,60.97) ; v1(54.56,45.83) 52.1,43.37 Cvcc46.2 ; v1(98.02,66.86) 98.02,63.01 Cvout34.2 99.48,62.33 TMR34.3 ; R4.1 44.59,79.47 R3.1 43.14,78.84 v1(43.03,78.73) ; v1(121.78,105.12) 121.78,101 Cvout6.2 123.23,100.33 TMR6.3 ; v1(61.88,97.88) 59.39,100.37 v1(57.63,100.37) Cvcc2.2 ; v1(99.84,43.35) 99.82,43.37 Cvcc48.2 ; TMR37.3 156.48,62.33 Cvout37.2 155.02,63.01 155.02,66.98 v1(155.05,67.01) ; v1(71.34,62.35) 71.32,62.37 Cvcc32.2 ; TMR39.3 194.48,62.33 Cvout39.2 193.68,62.35 193.25,62.35 C26.1 193.05,64.63 v1(193.05,66.52) ; v1(30.81,62.34) 30.78,62.37 Cvcc30.2 ; TMR25.3 208.73,81.33 Cvout25.2 207.31,81.97 v1(207.31,86.2) ; v1(150.3,86.31) 150.3,81.98 Cvout22.2 151.73,81.33 TMR22.3 ; v1(193.43,98.54) 193.59,98.37 MUXB5.14 ; Cvcc67.2 195.92,16.37 v1(199.85,16.37) ; 39.88,81.54 39.88,83.06 ; v1(216.81,105.04) 216.79,105.02 216.79,100.99 Cvout11.2 218.23,100.33 TMR11.3 ; TMR64.3 122.08,7.73 Cvout64.2 121.36,9.54 121.36,13.02 v1(121.68,13.35) ; v1(148.05,66.14) 147.42,65.51 C32.2 ; v1(288.05,86.12) 288.05,81.98 Cvout29.2 289.48,81.33 TMR29.3 ; TMR30.3 21.11,62.33 Cvout30.2 19.62,63.03 v1(19.62,67.17) ; C21.2 50.21,89.92 v1(49.59,90.54) ; v1(160.38,42.72) 160.38,42.82 160.88,43.32 MUXB8.3 163.75,43.32 C27.2 ; Cvcc57.2 277.87,43.37 v1(277.91,43.33) ; TMR41.3 232.48,62.33 Cvout41.2 231.04,62.99 v1(231.04,67.12) ; Cvcc10.2 208.29,100.37 v1(208.78,100.86) ; Cvcc47.2 79.92,43.37 v1(80.65,44.1) ; v1(43.39,48.15) 43.39,44.01 Cvout46.2 44.86,43.33 TMR46.3 ; TMR65.3 146.98,24.33 Cvout65.2 145.54,24.99 v1(145.54,29.08) ; TMR54.3 203.98,43.33 Cvout54.2 202.52,44.01 v1(202.52,48.25) ; v1(124.3,62.31) 124.24,62.37 Cvcc35.2 ; C20.1 v1(153.96,36.9) ; Cvcc44.2 v1(299.25,61.57) ; v1(134.65,62.02) 134.38,61.75 C12.1 133.74,62.32 MUXB3.3 ; Cvcc29.2 299.09,81.37 v1(299.19,81.27) ; TMR70.3 249.71,24.33 Cvout70.2 248.27,24.98 v1(248.27,28.83) ; Cvcc36.2 142.5,61.38 v1(142.41,61.29) ; v1(285.6,100.32) 285.55,100.37 Cvcc14.2 ; Cvcc5.2 v1(114.08,100.37) ; Cvcc28.2 275.62,81.37 v1(275.64,81.35) ; v1(109.04,62.39) 109.02,62.37 Cvcc34.2 ; v1(85.56,81.35) 85.54,81.37 Cvcc18.2 ; Cvcc71.2 276.1,23.57 v1(276.09,23.56) ; v1(199.54,79.32) 199.49,79.37 MUXB6.3 196.62,79.37 C25.2 ; TMR28.3 265.73,81.33 Cvout28.2 264.27,82.01 v1(264.27,86.07) ; v1(164.54,47.73) 164.54,45.08 C27.1 163.79,44.29 164.75,43.33 Cvout52.2 165.98,43.33 TMR52.3 ; TMR12.3 237.23,100.33 Cvout12.2 235.79,100.99 v1(235.79,105.1) ; v1(139.4,43.34) 139.38,43.32 MUXB4.14 136.93,43.32 135.36,44.89 C5.1 ; Cvcc61.2 71.33,24.37 74.85,27.88 v1(74.85,30.17) ; Cvcc58.2 299.25,38.87 v1(297.92,37.55) ; Cvout21.2 132.73,81.33 TMR21.3 ; Cvout21.2 131.29,81.99 v1(131.29,86.05) ; Cvout21.2 131.6,80.98 C11.2 ; v1(85.93,26.55) 85.58,26.2 85.58,22.54 Cvout62.2 86.3,20.73 TMR62.3 ; v1(60.01,67.02) 60.01,63.02 Cvout32.2 61.48,62.33 TMR32.3 ; C30.1 146.09,74.63 v1(146.58,74.14) ; v1(182.43,56.76) 182.44,56.77 C19.1 ; v1(136.06,66.51) 136.06,62.97 Cvout36.2 137.48,62.33 TMR36.3 ; Cvcc39.2 204.09,62.37 v1(204.11,62.35) ; v1(169.99,98.53) 169.53,98.06 C1.1 ; v1(69.53,48) 69.53,44 Cvout47.2 70.98,43.33 TMR47.3 ; Cvcc68.2 213.01,22.1 v1(213.69,21.43) ; Cvcc45.2 25.93,43.37 v1(25.94,43.36) ; C10.1 138.41,102.48 v1(136.79,102.48) ; v1(169.01,81.11) 169.23,81.33 Cvout23.2 170.73,81.33 TMR23.3 ; TMR13.3 256.23,100.33 Cvout13.2 254.76,101.02 v1(254.76,105.28) ; Cvcc42.2 263.65,62.37 v1(263.68,62.34) ; v1(104.4,85.01) 100.76,81.37 Cvcc19.2 ; Cvcc16.2 39.86,81.37 C28.2 39.89,79.98 39.88,79.97 v1(42.27,77.58) 42.92,77.58 v1(43.83,76.67) ; v1(228.01,42.32) 228,42.33 Cvcc55.2 ; TMR68.3 209.18,20.08 Cvout68.2 205.77,21.88 205.77,23.59 v1(205.39,23.98) ; v1(57.43,79.72) 57.61,79.9 TMR17.3 56.73,81.33 Cvout17.2 ; v1(58.19,105.6) 64.03,105.6 v1(64.78,104.85) 64.78,101 Cvout3.2 66.23,100.33 TMR3.3 ; v1(19.02,29.13) 19.02,25.03 Cvout59.2 20.51,24.33 TMR59.3 ; v1(233.39,23.52) 233.35,23.56 Cvcc69.2 ; Cvcc43.2 284.98,62.37 v1(285.01,62.34) ; SW1.1 SW1.1 32.14,63.7 v1(32.16,63.68) ; TMR14.3 275.23,100.33 Cvout14.2 273.79,100.99 v1(273.79,105.02) ; v1(134.14,42.74) 133.51,43.37 Cvcc50.2 ; 167.48,100 167.5,99.98 ; v1(144.55,48.68) 145.64,47.59 C13.1 ; v1(166.34,111.74) 167.03,111.05 M1.1 167.5,112.02 v1(167.52,112.04) ; TMR60.3 44.26,24.33 Cvout60.2 42.8,25 v1(42.8,29.16) ; LEDDR1.33 149.63,71.87 ; v1(94.75,17.67) 92.89,17.67 Cvcc62.2 93.18,20.05 v1(95.89,22.76) ; v1(226.28,86.28) 226.28,82 Cvout26.2 227.73,81.33 TMR26.3 ; C7.2 51.92,80.79 C6.2 51.23,79.94 v1(51.23,79.8) ; v1(269.63,28.91) 269.63,25 Cvout71.2 271.08,24.33 TMR71.3 ; v1(132.77,102.59) 131.36,102.59 130.13,101.36 C2.1 130.14,101.08 130.9,100.32 MUXB1.14 ; TMR69.3 228.33,24.33 Cvout69.2 226.96,24.92 v1(226.96,28.68) ; MUXB8.14 157.15,43.32 v1(157.3,43.48) ; Cvcc12.2 247.14,100.37 v1(247.16,100.35) ; v1(165.94,99.69) 166.25,100 Cvcc8.2 166.82,99.8 M1.16 167.03,99.8 v1(166.64,99.41) ; v1(288.64,28.87) 288.64,24.99 Cvout72.2 290.08,24.33 TMR72.3 ; v1(52.26,66.36) 48.27,62.37 Cvcc31.2 ; v1(118.79,43.33) 118.75,43.37 Cvcc49.2 ; v1(212,66.95) 212,63.03 Cvout40.2 213.48,62.33 TMR40.3 ; v1(95.2,100.34) 95.17,100.37 Cvcc4.2 ; Cvcc41.2 v1(242.37,62.37) ; v1(124.5,64.59) 125.17,63.92 C4.1 ; Cvcc40.2 222.98,62.37 v1(222.99,62.36) ; v1(176.84,82.44) 175.77,81.37 Cvcc23.2 ; v1(181.46,92.37) 181.27,92.56 C16.1 180.36,92.82 180.36,93.58 179.84,94.1 MUXA2.15
  Bottom w0.35: v1(196.96,80.99) 196.61,80.64 C25.1
